# Altium PCB PCB For IN12の世界线外形（new）.PcbDoc
Units mm, origin at the board's own origin, x right, y up, seen from the top; angles counter-clockwise.
Board outline 183 x 51 mm, 2 copper layers (Top Layer, Bottom Layer), stack 1.58 mm thick; 44 components, 0 nets, 1016 pads, 0 vias.
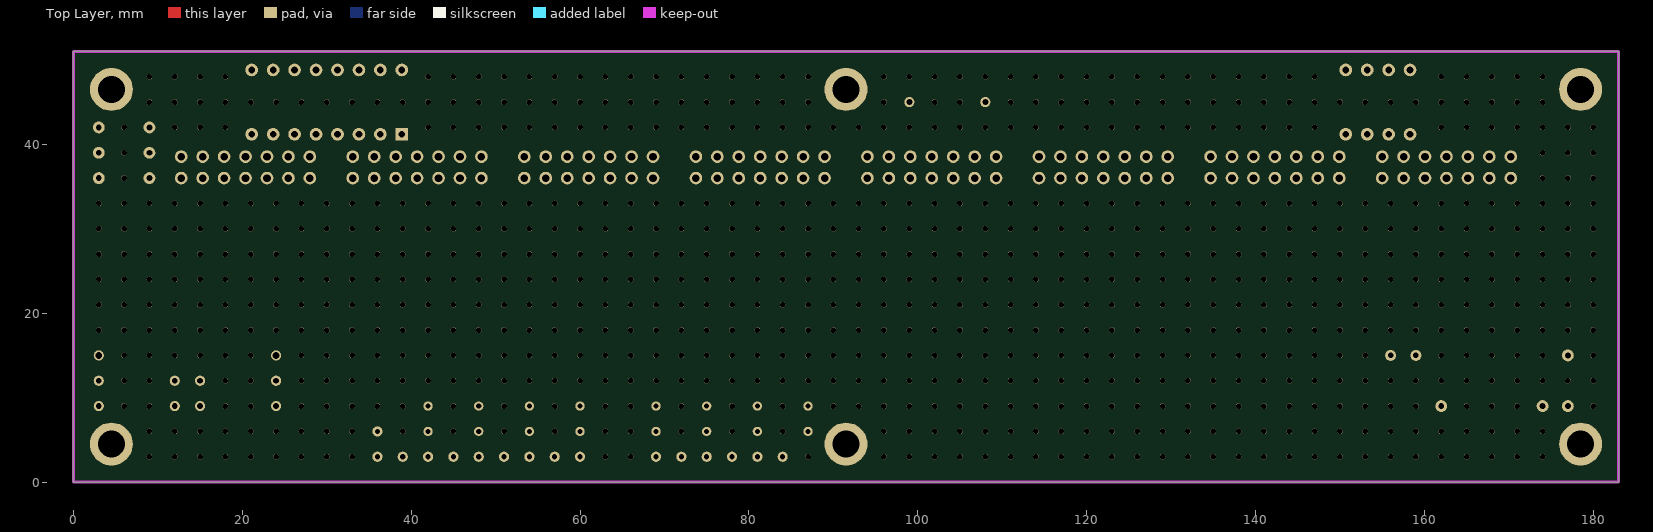
[diagram p0: Top Layer view]
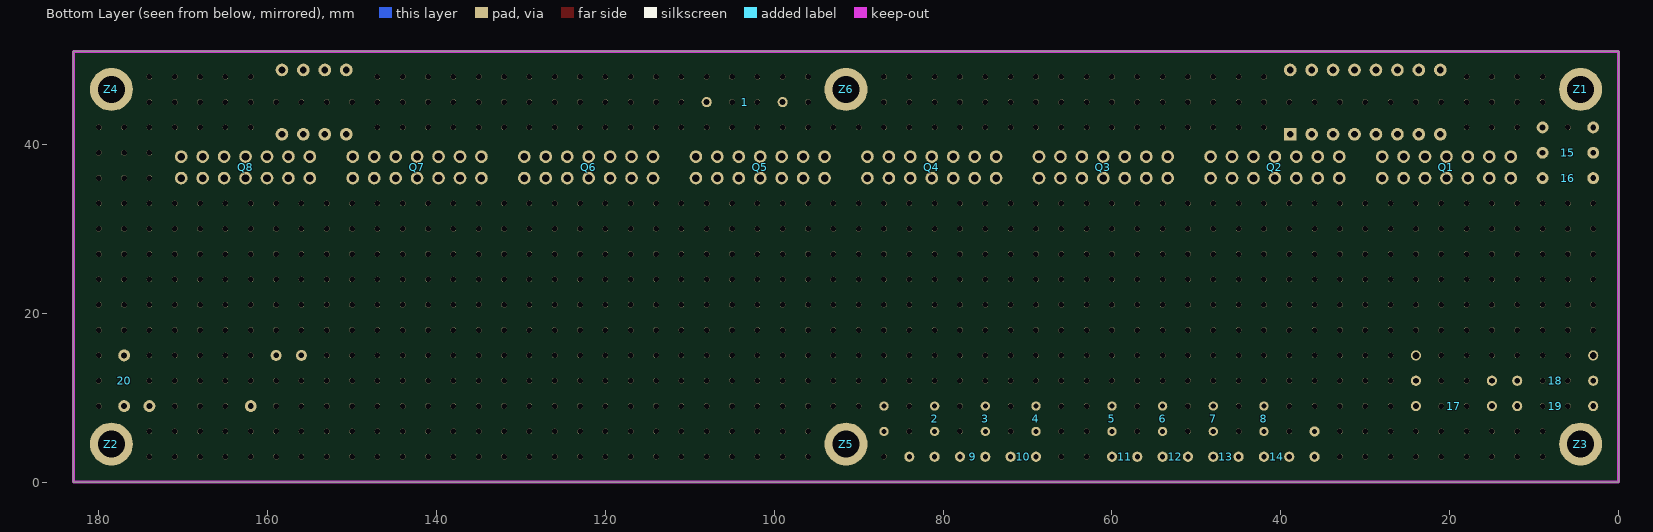
[diagram p1: Bottom Layer view, seen from below]

## Layer stack, top to bottom
Top Solder: solder mask 0.0102, Solder Resist, Dk 3.5
Top Layer: signal copper 0.0356
Dielectric 1: dielectric 1.5086, FR-4, Dk 4.8
Bottom Layer: signal copper 0.0356
Bottom Solder: solder mask 0.0102, Solder Resist, Dk 3.5

## Board outline
0,0 0,51 183,51 183,0

## Design rules (kind name [scope] priority, off if disabled: settings)
Clearance [All] p1: gap=0.254
ComponentClearance ComponentClearance_1 [(InComponent('Q1') or InComponent('Q2') or InComponent('Q3') or InComponent('Q4') or InComponent('Q5') or InComponent('Q6') or InComponent('Q7') or InComponent('Q8'))] p1: gap=0 collisioncheckmode=3 verticalgap=0 showdistances=FALSE
ComponentClearance [All] p2: gap=0.254 collisioncheckmode=3 verticalgap=0.254 showdistances=FALSE
Height [All] p1: minheight=0 maxheight=2539.975 prefheight=12.7
PolygonConnect [All] p1: connectstyle=Relief reliefconductorwidth=0.254 reliefentries=4 polygonreliefangle="90 Angle" airgapwidth=0.254
RoutingVias [All] p1: holewidth=0.305 width=0.711 viastyle="Through Hole" minholewidth=0.305 minwidth=0.711 maxholewidth=0.711 maxwidth=1.27
SolderMaskExpansion [All] p1: expansion=0.102
Width [All] p1: maxlimit=0.762 minlimit=0.152 preferedwidth=0.254
28 further rules are at their usual default settings.

## Components (designator, comment, footprint, x,y, rotation, side; value= is the part's Value field where it differs from the comment)
1 "Comment" RES_0.4_1/4W 103.5,45 r0 bottom
2 "Comment" CAP_PR_1.5_4 81,7.5 r90 bottom
3 "Comment" CAP_PR_1.5_4 75,7.5 r90 bottom
4 "Comment" CAP_PR_1.5_4 69,7.5 r90 bottom
5 "Comment" CAP_PR_1.5_4 60,7.5 r90 bottom
6 "Comment" CAP_PR_1.5_4 54,7.5 r90 bottom
7 "Comment" CAP_PR_1.5_4 48,7.5 r90 bottom
8 "Comment" CAP_PR_1.5_4 42,7.5 r90 bottom
9 "Comment" RES_0.1 76.5,3 r180 bottom
10 "Comment" RES_0.1 70.5,3 r180 bottom
11 "Comment" RES_0.1 58.5,3 r180 bottom
12 "Comment" RES_0.1 52.5,3 r180 bottom
13 "Comment" RES_0.1 46.5,3 r180 bottom
14 "Comment" RES_0.1 40.5,3 r180 bottom
15 "Comment" CAP_5.08MM 6,39 r0 bottom
16 "Comment" CAP_5.08MM 6,36 r0 bottom
17 "Comment" RES_0.4_1/4W 19.5,9 r0 bottom
18 "Comment" RES_0.4_1/4W 7.5,12 r0 bottom
19 "Comment" RES_0.4_1/4W 7.5,9 r0 bottom
20 "Comment" CAP_5.08MM 177,12 r270 bottom
Q1 "IN12B转接板" "NIXIE IN12 Trans" 28,36 r180 bottom locked
Q2 "IN12B转接板" "NIXIE IN12 Trans" 48.32,36 r180 bottom locked
Q3 "IN12B转接板" "NIXIE IN12 Trans" 68.64,36 r180 bottom locked
Q4 "IN12B转接板" "NIXIE IN12 Trans" 88.96,36 r180 bottom locked
Q5 "IN12B转接板" "NIXIE IN12 Trans" 109.28,36 r180 bottom locked
Q6 "IN12B转接板" "NIXIE IN12 Trans" 129.6,36 r180 bottom locked
Q7 "IN12B转接板" "NIXIE IN12 Trans" 149.92,36 r180 bottom locked
Q8 "IN12B转接板" "NIXIE IN12 Trans" 170.24,36 r180 bottom locked
Z1 "Z-Cu" M3x5_L#1 4.5,46.5 r180 bottom
Z2 "Z-Cu" M3x5_L#1 178.5,4.5 r180 bottom
Z3 "Z-Cu" M3x5_L#1 4.5,4.5 r180 bottom
Z4 "Z-Cu" M3x5_L#1 178.5,46.5 r180 bottom
Z5 "Z-Cu" M3x5_L#2 91.5,4.5 r180 bottom (schematic designator Z2)
Z6 "Z-Cu" M3x5_L#2 91.5,46.5 r180 bottom (schematic designator Z2)
? "Comment" CAP_PR_2.0_5_RA 157.5,15 r0 bottom
? "Comment" CAP_2.54MM 36,4.5 r90 bottom
? "Comment" RES_0.1 82.5,3 r180 bottom
? "Comment" RES_0.4_1/4W 19.5,12 r0 bottom
? "Comment" DO-41G 9,15 r0 bottom
? "Comment" CAP_PR_1.5_4 87,7.5 r90 bottom
? "Comment" CAP_5.08MM 6,42 r0 bottom
? "Comment" DIP_16 30,45 r180 bottom
? "Comment" DIP_8 154.5,45 r180 bottom
? "Comment" "CT 10*6 - V" 168,9 r180 bottom

## Footprints (in the part's own frame and the unit in brackets; to place one, negate y for a bottom-side part, rotate by r counter-clockwise, add the part's x,y. Pads: shape width x height; smd on the part's side, far side on the other; paste and mask are expansions set on the pad)
CAP_2.54MM [mm]
  round 1.2 hole 0.6 mask+0: 1(-1.5,0) 2(1.5,0)
  body extent -2.92,-0.84 2.92,0.86, height 5.92
CAP_5.08MM [mm]
  round 1.4 hole 0.7 mask+0: 1(-3,0) 2(3,0)
  body extent -2.84,-1.3 2.76,1.2, height 6
CAP_PR_1.5_4 [mm] "4X7"
  round 1.1 hole 0.6 mask+0: 1(-1.5,0) 2(1.5,0)
  body extent -2,-2 2,2, height 7.1
CAP_PR_2.0_5_RA [mm] "5X11"
  body extent -2.53,-0.3 2.53,13.02, height 5.03
"CT 10*6 - V" [mm] "直径10mm，高6mm"
  round 1.4 hole 0.7 mask+0: 1(6,0) 2(-6,0)
  body extent -5.8,-5.15 5.8,5.15, height 6
DIP_8 [mm] "7.62"
  round 1.5 hole 0.8 mask+0: 0(-3.81,-3.81) 0(-3.81,3.81) 0(-1.27,-3.81) 0(-1.27,3.81) 0(1.27,-3.81) 0(1.27,3.81) 0(3.81,-3.81) 0(3.81,3.81)
  body extent -4.96,-3.9 4.95,3.92, height 4.57
DIP_16 [mm] "7.62"
  rect 1.5x1.5 hole 0.8 mask+0: 1(-8.89,-3.81)
  round 1.5 hole 0.8 mask+0: 2(-6.35,-3.81) 3(-3.81,-3.81) 4(-1.27,-3.81) 5(1.27,-3.81) 6(3.81,-3.81) 7(6.35,-3.81) 8(8.89,-3.81) 9(8.89,3.81) 10(6.35,3.81) 11(3.81,3.81) 12(1.27,3.81) 13(-1.27,3.81) 14(-3.81,3.81) 15(-6.35,3.81) 16(-8.89,3.81)
  body extent -9.68,-3.9 9.74,3.92, height 4.57
DO-41G [mm]
  body extent -0.51,-1.23 8.89,1.27, height 2.55
M3x5_L#1 [mm] "M3铜柱，长：5mm"
  round 5.08 hole 3.175: 1(0,0)
  body extent -2.7,-2.35 2.7,2.35, height 5.05
M3x5_L#2 [mm] "M3铜柱，长：5mm"
  round 5.08 hole 3.175 mask+0: 1(0,0)
  body extent -2.7,-2.35 2.7,2.35, height 5.05
"NIXIE IN12 Trans" [mm] "IN12B转接板 2x7贴片排母"
  round 1.5 hole 0.9 mask+0: 1(0,0) 2(0,2.54) 3(2.54,0) 4(2.54,2.54) 5(5.08,0) 6(5.08,2.54) 7(7.62,0) 8(7.62,2.54) 9(10.16,0) 10(10.16,2.54) 11(12.7,0) 12(12.7,2.54) 13(15.24,0) 14(15.24,2.54)
  body extent -2.88,-31.61 18.12,3.81, height 44.06
RES_0.1 [mm]
  round 1.2 hole 0.6 mask+0: 1(-1.5,0) 2(1.5,0)
  body extent -2.18,-0.9 1.53,0.94, height 6.75
RES_0.4_1/4W [mm]
  round 1.2 hole 0.7 mask+0: 1(-4.5,0) 2(4.5,0)
  body extent -5.39,-1.25 5.37,1.27, height 2.56

## Part data
Q1 Q2 Q3 Q4 Q5 Q6 Q7 Q8: library part "NIXIE IN-12B转接板", "CCCP IN12B转接板"
Z1 Z2 Z3 Z4 Z5 Z6: "Cu"

## Free pads (board coordinates)
  round 0.65 hole 0.65 mask+0: 0(3,18) 0(3,21) 0(3,24) 0(3,27) 0(3,30) 0(3,33) 0(6,9) 0(6,12) 0(6,15) 0(6,18) 0(6,21) 0(6,24) 0(6,27) 0(6,30) 0(6,33) 0(6,36) 0(6,39) 0(6,42) 0(9,3) 0(9,6) 0(9,9) 0(9,12) 0(9,15) 0(9,18) 0(9,21) 0(9,24) 0(9,27) 0(9,30) 0(9,33) 0(9,45) 0(9,45) 0(9,48) 0(12,3) 0(12,6) 0(12,15) 0(12,18) 0(12,21) 0(12,24) 0(12,27) 0(12,30) 0(12,33) 0(12,42) 0(12,45) 0(12,45) 0(12,48) 0(15,3) 0(15,6) 0(15,15) 0(15,18) 0(15,21) 0(15,24) 0(15,27) 0(15,30) 0(15,33) 0(15,42) 0(15,45) 0(15,45) 0(15,48) 0(18,3) 0(18,6) 0(18,9) 0(18,12) 0(18,15) 0(18,18) 0(18,21) 0(18,24) 0(18,27) 0(18,30) 0(18,33) 0(18,42) 0(18,45) 0(18,45) 0(18,48) 0(21,3) 0(21,6) 0(21,9) 0(21,12) 0(21,15) 0(21,18) 0(21,21) 0(21,24) 0(21,27) 0(21,30) 0(21,33) 0(21,45) 0(21,45) 0(24,3) 0(24,6) 0(24,18) 0(24,21) 0(24,24) 0(24,27) 0(24,30) 0(24,33) 0(24,45) 0(24,45) 0(27,3) 0(27,6) 0(27,9) 0(27,12) 0(27,15) 0(27,18) 0(27,21) 0(27,24) 0(27,27) 0(27,30) 0(27,33) 0(27,45) 0(27,45) 0(30,3) 0(30,6) 0(30,9) 0(30,12) 0(30,15) 0(30,18) 0(30,21) 0(30,24) 0(30,27) 0(30,30) 0(30,33) 0(30,45) 0(30,45) 0(33,3) 0(33,6) 0(33,9) 0(33,12) 0(33,15) 0(33,18) 0(33,21) 0(33,24) 0(33,27) 0(33,30) 0(33,33) 0(33,45) 0(33,45) 0(36,9) 0(36,12) 0(36,15) 0(36,18) 0(36,21) 0(36,24) 0(36,27) 0(36,30) 0(36,33) 0(36,45) 0(36,45) 0(39,6) 0(39,9) 0(39,12) 0(39,15) 0(39,18) 0(39,21) 0(39,24) 0(39,27) 0(39,30) 0(39,33) 0(39,45) 0(42,12) 0(42,15) 0(42,18) 0(42,21) 0(42,24) 0(42,27) 0(42,30) 0(42,33) 0(42,42) 0(42,45) 0(42,48) 0(45,6) 0(45,9) 0(45,12) 0(45,15) 0(45,18) 0(45,21) 0(45,24) 0(45,27) 0(45,30) 0(45,33) 0(45,42) 0(45,42) 0(45,45) 0(45,48) 0(48,12) 0(48,15) 0(48,18) 0(48,21) 0(48,24) 0(48,27) 0(48,30) 0(48,33) 0(48,42) 0(48,42) 0(48,45) 0(48,48) 0(51,6) 0(51,9) 0(51,12) 0(51,15) 0(51,18) 0(51,21) 0(51,24) 0(51,27) 0(51,30) 0(51,33) 0(51,42) 0(51,42) 0(51,45) 0(51,48) 0(54,12) 0(54,15) 0(54,18) 0(54,21) 0(54,24) 0(54,27) 0(54,30) 0(54,33) 0(54,42) 0(54,42) 0(54,45) 0(54,48) 0(57,6) 0(57,9) 0(57,12) 0(57,15) 0(57,18) 0(57,21) 0(57,24) 0(57,27) 0(57,30) 0(57,33) 0(57,42) 0(57,42) 0(57,45) 0(57,48) 0(60,12) 0(60,15) 0(60,18) 0(60,21) 0(60,24) 0(60,27) 0(60,30) 0(60,33) 0(60,42) 0(60,42) 0(60,45) 0(60,48) 0(63,3) 0(63,6) 0(63,9) 0(63,12) 0(63,15) 0(63,18) 0(63,21) 0(63,24) 0(63,27) 0(63,30) 0(63,33) 0(63,42) 0(63,42) 0(63,45) 0(63,48) 0(66,3) 0(66,6) 0(66,9) 0(66,12) 0(66,15) 0(66,18) 0(66,21) 0(66,24) 0(66,27) 0(66,30) 0(66,33) 0(66,42) 0(66,42) 0(66,45) 0(66,48) 0(69,12) 0(69,15) 0(69,18) 0(69,21) 0(69,24) 0(69,27) 0(69,30) 0(69,33) 0(69,42) 0(69,42) 0(69,45) 0(69,48) 0(72,6) 0(72,9) 0(72,12) 0(72,15) 0(72,18) 0(72,21) 0(72,24) 0(72,27) 0(72,30) 0(72,33) 0(72,42) 0(72,42) 0(72,45) 0(72,48) 0(75,12) 0(75,15) 0(75,18) 0(75,21) 0(75,24) 0(75,27) 0(75,30) 0(75,33) 0(75,42) 0(75,42) 0(75,45) 0(75,48) 0(78,6) 0(78,9) 0(78,12) 0(78,15) 0(78,18) 0(78,21) 0(78,24) 0(78,27) 0(78,30) 0(78,33) 0(78,42) 0(78,42) 0(78,45) 0(78,48) 0(81,12) 0(81,15) 0(81,18) 0(81,21) 0(81,24) 0(81,27) 0(81,30) 0(81,33) 0(81,42) 0(81,42) 0(81,45) 0(81,48) 0(84,6) 0(84,9) 0(84,12) 0(84,15) 0(84,18) 0(84,21) 0(84,24) 0(84,27) 0(84,30) 0(84,33) 0(84,42) 0(84,42) 0(84,45) 0(84,48) 0(87,3) 0(87,12) 0(87,15) 0(87,18) 0(87,21) 0(87,24) 0(87,27) 0(87,30) 0(87,33) 0(87,42) 0(87,42) 0(87,45) 0(87,48) 0(90,9) 0(90,12) 0(90,15) 0(90,18) 0(90,21) 0(90,24) 0(90,27) 0(90,30) 0(90,33) 0(90,42) 0(90,42) 0(93,9) 0(93,12) 0(93,15) 0(93,18) 0(93,21) 0(93,24) 0(93,27) 0(93,30) 0(93,33) 0(93,42) 0(93,42) 0(96,3) 0(96,6) 0(96,9) 0(96,12) 0(96,15) 0(96,18) 0(96,21) 0(96,24) 0(96,27) 0(96,30) 0(96,33) 0(96,42) 0(96,42) 0(96,45) 0(96,48) 0(99,3) 0(99,6) 0(99,9) 0(99,12) 0(99,15) 0(99,18) 0(99,21) 0(99,24) 0(99,27) 0(99,30) 0(99,33) 0(99,42) 0(99,42) 0(99,48) 0(102,3) 0(102,6) 0(102,9) 0(102,12) 0(102,15) 0(102,18) 0(102,21) 0(102,24) 0(102,27) 0(102,30) 0(102,33) 0(102,42) 0(102,42) 0(102,45) 0(102,48) 0(105,3) 0(105,6) 0(105,9) 0(105,12) 0(105,15) 0(105,18) 0(105,21) 0(105,24) 0(105,27) 0(105,30) 0(105,33) 0(105,42) 0(105,42) 0(105,45) 0(105,48) 0(108,3) 0(108,6) 0(108,9) 0(108,12) 0(108,15) 0(108,18) 0(108,21) 0(108,24) 0(108,27) 0(108,30) 0(108,33) 0(108,42) 0(108,42) 0(108,48) 0(111,3) 0(111,6) 0(111,9) 0(111,12) 0(111,15) 0(111,18) 0(111,21) 0(111,24) 0(111,27) 0(111,30) 0(111,33) 0(111,42) 0(111,42) 0(111,45) 0(111,48) 0(114,3) 0(114,6) 0(114,9) 0(114,12) 0(114,15) 0(114,18) 0(114,21) 0(114,24) 0(114,27) 0(114,30) 0(114,33) 0(114,42) 0(114,42) 0(114,45) 0(114,48) 0(117,3) 0(117,6) 0(117,9) 0(117,12) 0(117,15) 0(117,18) 0(117,21) 0(117,24) 0(117,27) 0(117,30) 0(117,33) 0(117,42) 0(117,42) 0(117,45) 0(117,48) 0(120,3) 0(120,6) 0(120,9) 0(120,12) 0(120,15) 0(120,18) 0(120,21) 0(120,24) 0(120,27) 0(120,30) 0(120,33) 0(120,42) 0(120,42) 0(120,45) 0(120,48) 0(123,3) 0(123,6) 0(123,9) 0(123,12) 0(123,15) 0(123,18) 0(123,21) 0(123,24) 0(123,27) 0(123,30) 0(123,33) 0(123,42) 0(123,42) 0(123,45) 0(123,48) 0(126,3) 0(126,6) 0(126,9) 0(126,12) 0(126,15) 0(126,18) 0(126,21) 0(126,24) 0(126,27) 0(126,30) 0(126,33) 0(126,42) 0(126,42) 0(126,45) 0(126,48) 0(129,3) 0(129,6) 0(129,9) 0(129,12) 0(129,15) 0(129,18) 0(129,21) 0(129,24) 0(129,27) 0(129,30) 0(129,33) 0(129,42) 0(129,42) 0(129,45) 0(129,48) 0(132,3) 0(132,6) 0(132,9) 0(132,12) 0(132,15) 0(132,18) 0(132,21) 0(132,24) 0(132,27) 0(132,30) 0(132,33) 0(132,42) 0(132,42) 0(132,45) 0(132,48) 0(135,3) 0(135,6) 0(135,9) 0(135,12) 0(135,15) 0(135,18) 0(135,21) 0(135,24) 0(135,27) 0(135,30) 0(135,33) 0(135,42) 0(135,42) 0(135,45) 0(135,48) 0(138,3) 0(138,6) 0(138,9) 0(138,12) 0(138,15) 0(138,18) 0(138,21) 0(138,24) 0(138,27) 0(138,30) 0(138,33) 0(138,42) 0(138,42) 0(138,45) 0(138,48) 0(141,3) 0(141,6) 0(141,9) 0(141,12) 0(141,15) 0(141,18) 0(141,21) 0(141,24) 0(141,27) 0(141,30) 0(141,33) 0(141,42) 0(141,42) 0(141,45) 0(141,48) 0(144,3) 0(144,6) 0(144,9) 0(144,12) 0(144,15) 0(144,18) 0(144,21) 0(144,24) 0(144,27) 0(144,30) 0(144,33) 0(144,42) 0(144,42) 0(144,45) 0(144,48) 0(147,3) 0(147,6) 0(147,9) 0(147,12) 0(147,15) 0(147,18) 0(147,21) 0(147,24) 0(147,27) 0(147,30) 0(147,33) 0(147,42) 0(147,42) 0(147,45) 0(147,48) 0(150,3) 0(150,6) 0(150,9) 0(150,12) 0(150,15) 0(150,18) 0(150,21) 0(150,24) 0(150,27) 0(150,30) 0(150,33) 0(150,45) 0(153,3) 0(153,6) 0(153,9) 0(153,12) 0(153,15) 0(153,18) 0(153,21) 0(153,24) 0(153,27) 0(153,30) 0(153,33) 0(153,45) 0(156,3) 0(156,6) 0(156,9) 0(156,12) 0(156,18) 0(156,21) 0(156,24) 0(156,27) 0(156,30) 0(156,33) 0(156,45) 0(159,3) 0(159,6) 0(159,9) 0(159,12) 0(159,18) 0(159,21) 0(159,24) 0(159,27) 0(159,30) 0(159,33) 0(159,45) 0(162,3) 0(162,6) 0(162,9) 0(162,12) 0(162,15) 0(162,18) 0(162,21) 0(162,24) 0(162,27) 0(162,30) 0(162,33) 0(162,42) 0(162,42) 0(162,45) 0(162,48) 0(162,3) 0(162,6) 0(162,9) 0(162,12) 0(162,15) 0(162,18) 0(162,21) 0(162,24) 0(162,27) 0(162,30) 0(162,33) 0(162,42) 0(162,42) 0(162,45) 0(165,3) 0(165,6) 0(165,9) 0(165,12) 0(165,15) 0(165,18) 0(165,21) 0(165,24) 0(165,27) 0(165,30) 0(165,33) 0(165,42) 0(165,42) 0(165,45) 0(165,48) 0(168,3) 0(168,6) 0(168,9) 0(168,12) 0(168,15) 0(168,18) 0(168,21) 0(168,24) 0(168,27) 0(168,30) 0(168,33) 0(168,42) 0(168,42) 0(168,45) 0(168,48) 0(171,3) 0(171,6) 0(171,9) 0(171,12) 0(171,15) 0(171,18) 0(171,21) 0(171,24) 0(171,27) 0(171,30) 0(171,33) 0(171,42) 0(171,42) 0(171,45) 0(171,48) 0(174,3) 0(174,6) 0(174,9) 0(174,12) 0(174,15) 0(174,18) 0(174,21) 0(174,24) 0(174,27) 0(174,30) 0(174,33) 0(174,36) 0(174,39) 0(174,42) 0(174,42) 0(174,45) 0(174,48) 0(177,12) 0(177,18) 0(177,21) 0(177,24) 0(177,27) 0(177,30) 0(177,33) 0(177,36) 0(177,39) 0(177,42) 0(177,42) 0(180,9) 0(180,12) 0(180,15) 0(180,18) 0(180,21) 0(180,24) 0(180,27) 0(180,30) 0(180,33) 0(180,36) 0(180,39) 0(180,42) 0(180,42)
  round 1.3 hole 0.65 mask+0: 1(159,15) 2(156,15)
  round 1.2 hole 0.8 mask+0: 16(3,15) 17(24,15)

## Nets (pads, with @x,y where several pads share a name; then routed paths per layer and width w, separated by ;. In a path a pad name is that pad's centre, name@x,y a point inside that pad or via, vN(x,y) a via of type N, cw(c..) or ccw(c..) an arc to the next point about the centre after c; other vN are vias at no path point)
pads on no net: 1.1 1.2 2.1 2.2 3.1 3.2 4.1 4.2 5.1 5.2 6.1 6.2 7.1 7.2 8.1 8.2 9.1 9.2 10.1 10.2 11.1 11.2 12.1 12.2 13.1 13.2 14.1 14.2 15.1 15.2 16.1 16.2 17.1 17.2 18.1 18.2 19.1 19.2 20.1 20.2 ?.0 ?.1 ?.2 ?.3 ?.4 ?.5 ?.6 ?.7 ?.8 ?.9 ?.10 ?.11 ?.12 ?.13 ?.14 ?.15 ?.16 Q1.1 Q1.2 Q1.3 Q1.4 Q1.5 Q1.6 Q1.7 Q1.8 Q1.9 Q1.10 Q1.11 Q1.12 Q1.13 Q1.14 Q2.1 Q2.2 Q2.3 Q2.4 Q2.5 Q2.6 Q2.7 Q2.8 Q2.9 Q2.10 Q2.11 Q2.12 Q2.13 Q2.14 Q3.1 Q3.2 Q3.3 Q3.4 Q3.5 Q3.6 Q3.7 Q3.8 Q3.9 Q3.10 Q3.11 Q3.12 Q3.13 Q3.14 Q4.1 Q4.2 Q4.3 Q4.4 Q4.5 Q4.6 Q4.7 Q4.8 Q4.9 Q4.10 Q4.11 Q4.12 Q4.13 Q4.14 Q5.1 Q5.2 Q5.3 Q5.4 Q5.5 Q5.6 Q5.7 Q5.8 Q5.9 Q5.10 Q5.11 Q5.12 Q5.13 Q5.14 Q6.1 Q6.2 Q6.3 Q6.4 Q6.5 Q6.6 Q6.7 Q6.8 Q6.9 Q6.10 Q6.11 Q6.12 Q6.13 Q6.14 Q7.1 Q7.2 Q7.3 Q7.4 Q7.5 Q7.6 Q7.7 Q7.8 Q7.9 Q7.10 Q7.11 Q7.12 Q7.13 Q7.14 Q8.1 Q8.2 Q8.3 Q8.4 Q8.5 Q8.6 Q8.7 Q8.8 Q8.9 Q8.10 Q8.11 Q8.12 Q8.13 Q8.14 Z1.1 Z2.1 Z3.1 Z4.1 Z5.1 Z6.1

## Keep-outs
Keep-Out Layer:
  the board outline again, w0.381

## Silkscreen, mask and mechanical layers (free items; w line width, h text height)
Top Solder:
  lines w0.635: 0,0 0,51 183,51 183,0 0,0 ; 0.5,0.5 0.5,50.5 182.5,50.5 182.5,0.5 0.5,0.5
Bottom Solder:
  region: 183,51 0,51 0,0 183,0
Drill Guide:
  lines w0.381: -3,3 186,3 ; -3,18 186,18 ; -3,42 186,42 ; 90,34.5 93,37.5 ; 90,37.5 93,34.5 ; 91.5,-1.5 91.5,52.5
Drill Drawing:
  circle w0.254: c168,9 r6
  lines w0.381: 3,9 12,9 ; 3,12 12,12 ; 3,15 24,15 ; 3,36 9,36 ; 3,39 9,39 ; 3,42 9,42 ; 15,9 24,9 ; 15,12 24,12 ; 36,3 36,6 ; 39,3 42,3 ; 42,6 42,9 ; 45,3 48,3 ; 48,6 48,9 ; 51,3 54,3 ; 54,6 54,9 ; 57,3 60,3 ; 60,6 60,9 ; 69,3 72,3 ; 69,6 69,9 ; 75,3 78,3 ; 75,6 75,9 ; 81,3 84,3 ; 81,6 81,9 ; 87,6 87,9 ; 99,45 108,45 ; 177,9 177,15 ; 19.5,42 19.5,48 40.5,48 40.5,42 19.5,42 ; 150,42 159,42 159,48 150,48 150,42 ; 156,3 156,15 159,15 159,3 156,3
  text "D-Draw层不做，打TOP单层板，KB CEM-1板材" at 0,63 h5.08